# KiCad board pcb.kicad_pcb (continued)
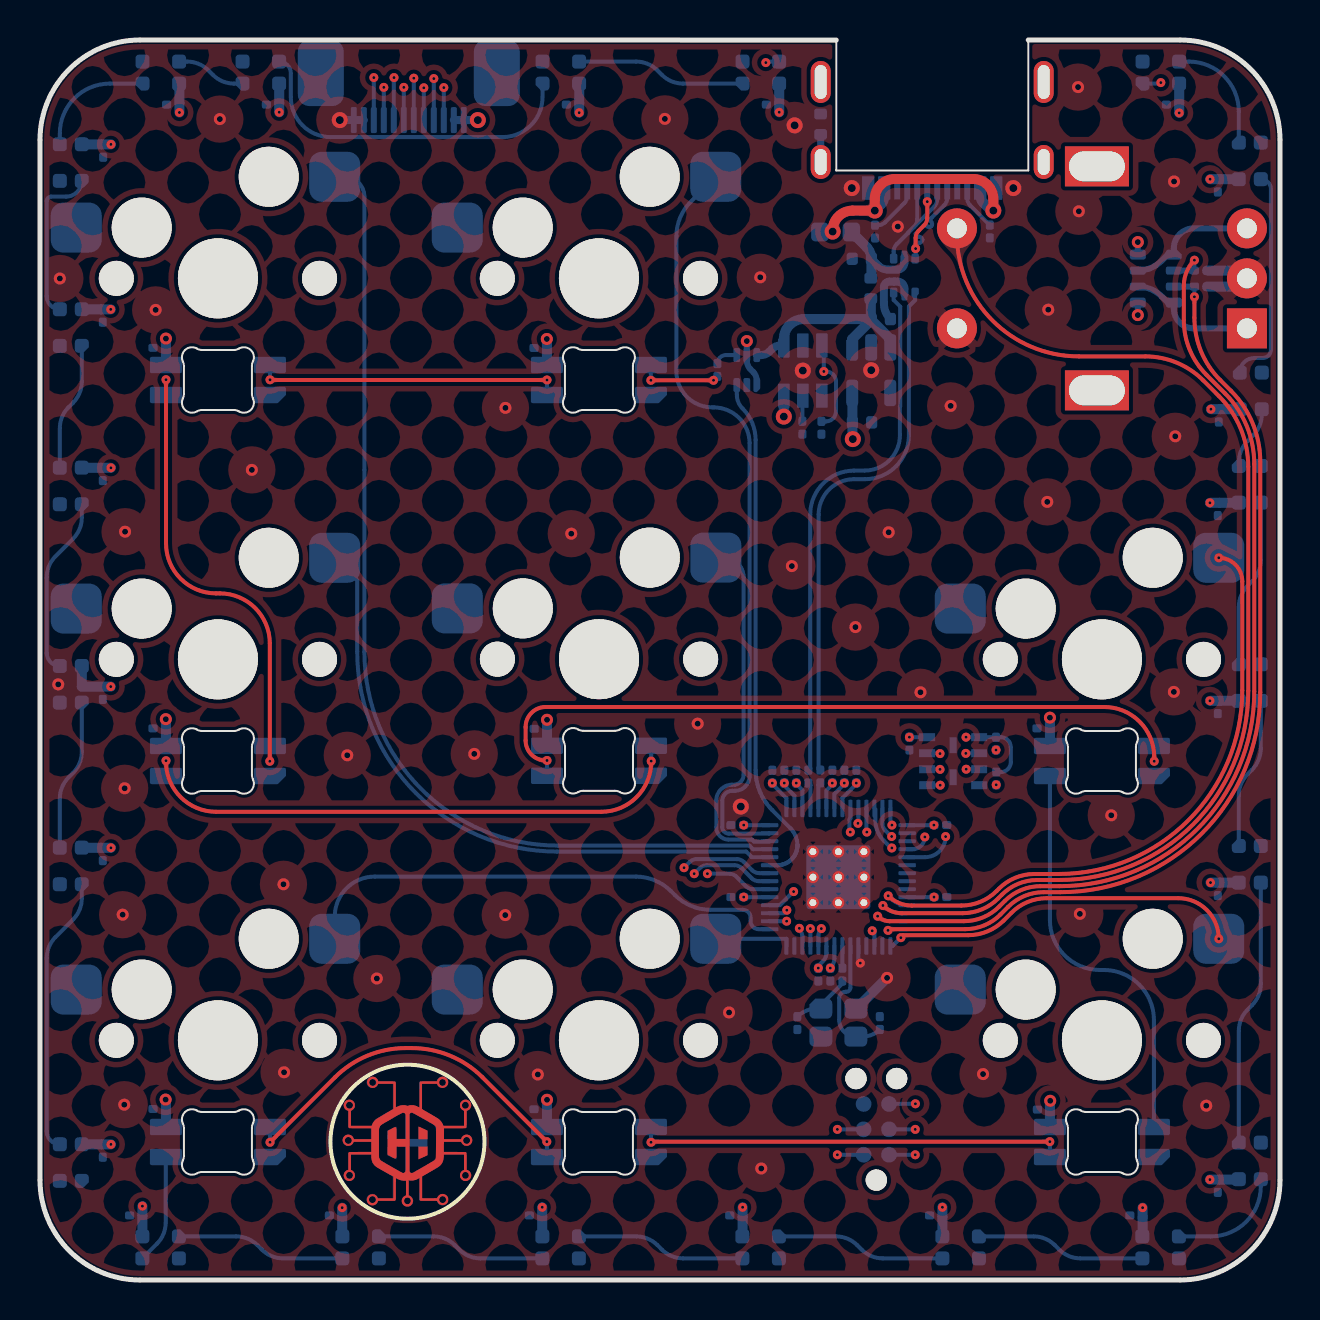
[diagram p0: board, top side]
## Routing (per net, layer and track width the routed paths; a pad name or vN(x,y) marks a point on that pad's centre or on a via; arc(x,y) is an arc through that point)
+1V1: length 4.2
  Bottom w0.2: U6.50 40.12,24.1 40.82,24.8 v1(40.82,24.85) 40.82,24.85 ; U6.45 38.12,24.49 37.82,24.8 v1(37.82,24.85) 37.82,24.85 ; U6.23 39.32,16.35 arc(39.28,16.13) 39.15,15.94 38.92,15.71 v1(38.92,15.6) C39.1
+3V3: length 21.7
  Bottom w0.2: U6.10 44.7,19.14 v1(44.7,19.15) ; v1(35.19,22.75) 35.19,22.74 U6.42 ; U6.49 39.72,24.3 40.22,24.8 v1(40.22,24.85) 40.22,24.85 ; 44.36,27.14 43.47,27.14 v1(43.47,27.14) ; v1(44.7,22.75) 44.69,22.74 U6.1 ; 39.62,24.85 v1(39.62,24.85) 39.62,24.77 39.32,24.48 U6.48 ; U6.44 37.72,24.22 37.22,24.72 v1(37.22,24.85) 37.22,24.85 ; v1(39.87,6.26) J3.1 ; U6.33 35.19,19.14 v1(35.19,19.15) ; U6.43 37.32,24.09 36.62,24.8 v1(36.62,24.85) ; C38.1 v1(39.52,15.6) arc(39.67,15.82) 39.72,16.09 U6.22
  Bottom w0.3: U4.1 35.84,44.97 arc(35.8,45.2) 35.67,45.4 35.52,45.55 arc(35.39,45.74) 35.34,45.97 U4.5 v2(35.34,46.95) ; RN1.5 v2(54.89,48.25) ; v2(54.89,51.9) RN1.8
  Bottom w0.35: 40.62,44.34 U2.5
  Bottom w0.4: v3(21.89,58) J2.12 J2.11
  Bottom w0.5: 40.62,44.34 C17.1 40.62,42.07 v3(40.64,42.05)
  vias: v1(47.8,26.5)
+5V: length 11.5
  Bottom w0.4: U4.6 36.05,46.25 arc(36.28,46.29) 36.47,46.42 36.6,46.55 arc(36.79,46.68) 37.02,46.73 U3.1
  Bottom w0.5: U3.1 37.19,47.05 arc(37.48,47.75) 38.19,48.05 C11.1 ; 41.58,48.11 41.58,48.02 40.61,47.05 U2.1 ; 41.58,48.11 41.58,47.98 42.51,47.05 U2.3 ; 41.58,48.11 41.54,48.15 FB2.2
GND: length 11.9
  Bottom w0.2: U6.19 40.92,15.94 v1(41.02,15.85)
  Bottom w0.4: v3(14.99,58) J2.1 J2.2 ; U1.2 43.22,49.57 arc(43.12,49.82) 42.87,49.92 42.48,49.92 arc(42.28,49.84) 42.2,49.64 42.2,48.83 arc(42.28,48.41) C11.2
  Bottom w0.5: v2(42.35,15.11) 40.82,13.57 Y1.2 ; C7.2 59.96,50.47 MX3.C 59.94,49.67 C8.2
  vias: v2(0.91,29.78) v2(0.99,50.08) v2(4.13,18.27) v2(4.25,37.42) v2(4.23,24.59) v2(4.21,8.77) v2(5.78,48.51) v2(8.99,58.05) v2(10.59,40.51) v2(12.17,19.79) v2(12.2,10.39) v2(15.36,26.24) v2(16.84,15.08) v2(21.71,26.31) v2(23.27,43.61) v2(23.26,18.25) v2(24.89,10.28) v2(26.56,37.32) v2(31.24,58.06) v2(32.88,27.82) v2(34.45,13.38) v2(36.01,50.14) v2(36.06,5.58) v2(37.59,35.7) v2(40.77,32.65) v2(42.43,37.39) v2(42.89,52.67) v2(44.02,29.39) v2(45.53,43.71) v2(47.15,10.3) v2(50.41,48.52) v2(50.36,38.91) v2(51.9,59.65) v2(51.94,53.44) v2(51.99,18.31) v2(53.56,23.24) v2(56.7,54.93) v2(56.69,29.41) v2(56.76,42.19) v2(58.31,8.72) v3(35.04,23.67) v3(37.73,57.73) v3(38.14,45.47) v3(40.59,54.6) v3(41.56,45.49) v3(48.67,54.6)
/BOOT: length 19.6
  In2.Cu w0.2: v1(47.81,24.76) 47.81,16.36 arc(47.24,14.99) 45.87,14.42 arc(44.39,13.81) 43.77,12.32 v1(43.77,8.81)
  Bottom w0.2: J3.6 42.46,8.81 v1(43.77,8.81) ; R6.2 v1(47.81,24.76)
/D+: length 1.3
  Bottom w0.2: R8.2 38.92,24.76 U6.47
/D-: length 1.3
  Bottom w0.2: 38.42,24.85 38.52,24.75 U6.46
/EA: length 50.8
  Top w0.2: v1(41.88,18.19) arc(42.16,18.01) 42.48,17.94 46.2,17.94 arc(47.15,18.13) 47.96,18.67 48.25,18.96 arc(49.06,19.5) 50.02,19.69 50.97,19.69 arc(57.86,22.54) 60.71,29.43 60.71,40.8 arc(60.33,42.71) 59.25,44.33 58.32,45.26 arc(57.49,46.51) 57.19,47.99 57.19,49.71 arc(57.33,50.4) v1(57.72,50.99)
  Bottom w0.2: U6.13 42.48,17.94 arc(42.16,18.01) v1(41.88,18.19) ; v1(57.72,50.99) C7.1
  Bottom w0.3: RN1.2 C7.1
/EB: length 48.1
  Top w0.2: v1(42.4,17.48) 42.46,17.54 46.26,17.54 arc(47.21,17.73) 48.02,18.27 48.41,18.66 arc(49.22,19.2) 50.18,19.39 51.01,19.39 arc(58.08,22.32) 61.01,29.39 61.01,40.92 arc(60.63,42.83) 59.55,44.46 59.01,44.99 arc(58.06,46.42) 57.72,48.11 v1(57.72,49.16)
  Bottom w0.2: v1(42.4,17.48) 42.46,17.54 U6.14 ; v1(57.72,49.16) C8.1
  Bottom w0.3: C8.1 RN1.3
/LIM_EN: length 35.2
  In1.Cu w0.2: v1(39.19,45.43) 39.19,19.08 arc(39.67,17.94) 40.81,17.46 v1(41.61,17.46)
  Bottom w0.2: v1(41.61,17.46) 41.72,17.35 U6.17 ; U3.3 39.19,46.63 v1(39.19,45.43) 39.3,45.43 arc(39.65,45.28) 39.8,44.93 39.8,43.43 arc(39.65,43.08) 39.3,42.93 R4.2
/PORT+: length 8.1
  Top w0.2: v1(43.78,51.57) 43.78,52.1 arc(43.82,52.3) 43.93,52.46 44.22,52.75 arc(44.33,52.91) 44.36,53.1 v1(44.36,53.92)
  Bottom w0.2: J1.B6 45.36,54.1 arc(45.32,53.91) 45.21,53.74 44.57,53.1 arc(44.53,53) 44.57,52.9 arc(44.61,52.8) 44.57,52.7 44.56,52.69 arc(44.46,52.64) 44.36,52.69 arc(44.26,52.73) 44.16,52.69 43.78,52.31 arc(43.82,52.2) 43.93,52.16 43.97,52.16 arc(44.08,52.12) 44.12,52.01 arc(44.08,51.9) 43.97,51.86 43.93,51.86 arc(43.82,51.82) 43.78,51.71 v1(43.78,51.57) 43.78,51.09 U1.6 ; J1.A6 44.36,53.92 v1(44.36,53.92)
/PORT-: length 6.8
  Bottom w0.2: J1.A7 44.86,54.02 arc(44.82,53.83) 44.71,53.67 43.4,52.35 ; 43.4,52.35 43.71,52.67 arc(43.82,52.83) 43.86,53.02 J1.B7 ; 43.4,52.35 42.83,51.78 arc(42.72,51.62) 42.68,51.43 U1.4
/QSPI_CLK: length 8.8
  In1.Cu w0.2: v1(45,25.53) 44.26,25.53 arc(44.16,25.57) 44.12,25.67 arc(44.08,25.77) 43.98,25.81 43.95,25.81 arc(43.85,25.77) 43.81,25.67 43.81,25.43 arc(43.78,25.36) 43.71,25.33 43.61,25.33 arc(43.54,25.36) 43.51,25.43 arc(43.48,25.5) 43.41,25.53 42.91,25.53 arc(42.87,25.43) 42.91,25.34 arc(42.95,25.24) 42.91,25.14 42.89,25.11 arc(42.79,25.07) 42.69,25.11 42.51,25.29 arc(42.43,25.33) 42.35,25.29 42.3,25.24 arc(42.27,25.16) 42.3,25.08 arc(42.33,25) 42.3,24.92 42.26,24.88 arc(42.18,24.84) 42.1,24.88 arc(42.02,24.91) 41.94,24.88 41.89,24.82 arc(41.85,24.74) 41.89,24.66 arc(41.92,24.59) 41.89,24.51 41.83,24.45 arc(41.75,24.42) 41.68,24.45 arc(41.6,24.49) 41.52,24.45 41.46,24.4 arc(41.43,24.32) 41.46,24.24 arc(41.5,24.16) 41.46,24.08 41.23,23.85 arc(40.98,23.48) 40.9,23.04 v1(40.9,22.83)
  Bottom w0.2: U6.52 40.92,22.86 v1(40.9,22.83) ; v1(45,25.53) 44.99,25.54 U5.6
/QSPI_CS: length 12.4
  In1.Cu w0.2: v1(46.3,27.14) 46.02,26.86 arc(45.61,26.24) 45.46,25.51 45.46,24.78 arc(45.43,24.6) 45.33,24.46 45.29,24.42 arc(45.18,24.34) 45.04,24.32 43.66,24.32 43.61,24.27 arc(43.58,24.2) 43.61,24.13 arc(43.64,24.05) 43.61,23.98 43.54,23.91 arc(43.47,23.88) 43.39,23.91 43.25,24.05 arc(43.18,24.08) 43.11,24.05 43.01,23.95 arc(42.98,23.88) 43.01,23.81 arc(43.04,23.74) 43.01,23.67 42.74,23.4 arc(42.63,23.24) 42.6,23.05 v1(42.6,22.75)
  Bottom w0.2: v1(42.6,22.75) 42.52,22.82 U6.56 ; v1(46.3,27.14) 46.3,27.14 46.96,27.14 46.96,27.14 R7.2 48.04,27.14 arc(48.39,26.99) 48.54,26.64 48.54,25.9 arc(48.39,25.54) 48.04,25.4 R6.1
/QSPI_SD0: length 8.8
  In1.Cu w0.2: v1(45.01,24.74) 44.3,24.74 arc(44.2,24.78) 44.15,24.89 arc(44.11,24.99) 44.01,25.03 44,25.03 arc(43.9,24.99) 43.85,24.89 arc(43.81,24.78) 43.71,24.74 43.7,24.74 arc(43.6,24.78) 43.55,24.89 arc(43.51,24.99) 43.41,25.04 43.4,25.04 arc(43.29,24.99) 43.25,24.89 43.25,24.59 arc(43.21,24.49) 43.1,24.45 43.1,24.45 arc(42.99,24.49) 42.95,24.59 arc(42.91,24.7) 42.8,24.74 42.73,24.74 42.48,24.49 arc(42.44,24.39) 42.48,24.29 arc(42.53,24.18) 42.48,24.08 42.48,24.07 arc(42.38,24.03) 42.27,24.07 arc(42.17,24.12) 42.06,24.07 42.06,24.07 arc(42.02,23.96) 42.06,23.86 arc(42.1,23.76) 42.06,23.65 42.06,23.65 arc(41.95,23.61) 41.85,23.65 arc(41.74,23.69) 41.64,23.65 41.63,23.64 arc(41.4,23.3) 41.32,22.89 41.32,22.41 v1(41.34,22.4)
  Bottom w0.2: U5.5 45.01,24.74 v1(45.01,24.74) ; v1(41.34,22.4) 41.32,22.41 U6.53
/QSPI_SD1: length 8.6
  In1.Cu w0.2: v1(42.58,22.18) 42.63,22.18 43.24,22.79 arc(43.28,22.89) 43.24,23 arc(43.19,23.1) 43.24,23.21 arc(43.34,23.25) 43.45,23.21 arc(43.55,23.17) 43.66,23.21 44.02,23.57 arc(44.32,23.77) 44.68,23.84 44.81,23.84 arc(45.13,23.9) 45.41,24.09 45.5,24.18 arc(45.78,24.61) 45.88,25.11 45.88,25.53 arc(45.96,25.89) 46.16,26.2 v1(46.29,26.33)
  Bottom w0.2: U5.2 46.3,26.34 v1(46.29,26.33) ; U6.55 42.12,22.82 arc(42.16,22.64) 42.26,22.48 42.57,22.18 v1(42.58,22.18)
/QSPI_SD2: length 8.7
  In1.Cu w0.2: v1(46.31,25.54) 46.31,25.43 arc(46.15,24.63) 45.7,23.95 45.26,23.52 arc(45.02,23.36) 44.74,23.3 arc(44.34,23.22) 44.01,23 42.61,21.6 v1(42.59,21.6)
  Bottom w0.2: v1(46.31,25.54) U5.3 ; U6.54 41.77,23.53 41.77,22.99 arc(41.88,22.44) 42.19,21.97 42.56,21.6 v1(42.59,21.6)
/QSPI_SD3: length 8.8
  In1.Cu w0.2: v1(45,26.32) 43.5,26.32 arc(42.94,26.21) 42.46,25.89 40.87,24.3 arc(40.58,23.86) 40.47,23.34 40.47,22.44 v1(40.52,22.4)
  Bottom w0.2: v1(45,26.32) 44.98,26.34 U5.7 ; U6.51 40.52,23.08 40.47,23.03 40.47,22.44 v1(40.52,22.4)
/RGB_5V: length 4.2
  Top w0.2: v1(33.68,44.99) v1(30.54,44.99)
  Bottom w0.2: D2.4 30.54,45.75 v1(30.54,44.99) ; v1(33.68,44.99) R3.2
/RGB_DO: length 25.9
  Bottom w0.2: U6.37 36.86,20.74 arc(36.87,20.74) 36.87,20.74 36.88,20.74 arc(36.88,20.74) 36.88,20.74 36.92,20.74 arc(36.93,20.74) 36.93,20.74 36.95,20.74 36.99,20.75 37.01,20.75 arc(37.01,20.75) 37.02,20.75 37.11,20.77 arc(37.11,20.77) 37.12,20.77 37.14,20.78 37.18,20.79 37.2,20.8 arc(37.21,20.8) 37.21,20.8 37.29,20.84 arc(37.3,20.84) 37.3,20.84 37.32,20.85 37.36,20.87 37.38,20.88 arc(37.38,20.88) 37.39,20.89 37.46,20.94 arc(37.47,20.94) 37.47,20.94 37.49,20.95 37.52,20.98 37.54,21 arc(37.54,21) 37.55,21 37.61,21.07 arc(37.61,21.07) 37.61,21.07 37.63,21.09 37.66,21.13 37.67,21.14 arc(37.67,21.15) 37.68,21.15 37.72,21.22 arc(37.73,21.23) 37.73,21.23 37.74,21.25 37.76,21.29 37.77,21.31 arc(37.77,21.31) 37.78,21.32 37.81,21.4 arc(37.81,21.4) 37.81,21.41 37.82,21.43 37.83,21.47 37.84,21.49 arc(37.84,21.5) 37.84,21.5 37.86,21.6 arc(37.86,21.6) 37.86,21.6 37.86,21.62 37.87,21.66 37.87,21.68 arc(37.87,21.69) 37.87,21.69 37.87,21.73 arc(37.87,21.74) 37.87,21.74 37.87,21.78 arc(37.86,21.86) 37.85,21.95 37.84,21.99 arc(37.82,22.09) 37.79,22.18 37.77,22.22 arc(37.73,22.3) 37.68,22.39 37.65,22.43 arc(37.6,22.5) 37.54,22.56 37.53,22.58 arc(37.52,22.58) 37.52,22.59 36.61,23.5 arc(36.6,23.5) 36.6,23.51 36.53,23.58 arc(36.5,23.62) 36.46,23.66 36.33,23.82 arc(36.3,23.86) 36.27,23.91 36.16,24.08 arc(36.13,24.13) 36.11,24.18 36.02,24.36 arc(35.99,24.42) 35.97,24.47 35.91,24.66 arc(35.89,24.71) 35.88,24.77 35.83,24.97 arc(35.82,25.02) 35.81,25.08 35.79,25.29 arc(35.78,25.33) 35.78,25.38 35.78,25.49 arc(35.78,25.49) 35.78,25.5 35.78,42.01 arc(35.61,42.85) 35.13,43.57 arc(34.92,43.89) 34.84,44.27 U4.3
/RGB_PWR: length 46
  Bottom w0.5: v1(3.55,40.61) 2.1,40.61 ; v1(58.5,28.96) 59.94,28.96 ; 2.1,56.78 v1(3.55,56.78) ; v1(45.12,3.64) 45.12,2.19 ; D7.1 25.35,9.01 v2(25.35,9.01) ; 2.1,6.78 v1(3.55,6.78) ; 15.11,2.17 v1(15.11,3.62) ; 26.96,59.81 v1(26.96,58.37) ; v1(36.96,58.39) 36.96,59.83 ; v1(11.96,58.39) 11.96,59.83 ; v2(25.34,47.05) 25.35,47.05 D2.1 ; D8.1 50.5,8.95 v2(50.51,8.96) ; 35.13,2.19 v1(35.13,3.64) ; v1(56.96,58.36) 56.96,59.8 ; D3.1 6.3,28.04 v2(6.29,28.04) ; v1(5.12,3.69) 5.12,2.25 ; D16.4 v1(58.55,43.54) ; v3(37.19,43.17) U3.6 ; v1(58.51,55.04) 59.95,55.04 ; v1(3.55,21.61) 2.1,21.61 ; v2(6.3,47.07) D1.1 ; D21.4 2.09,29.67 v1(3.54,29.67) ; v2(6.28,9.02) 6.3,9.01 D6.1 ; 2.09,48.53 v1(3.54,48.53) ; v1(55.13,3.62) 55.13,2.17 ; v1(58.53,19.87) 59.97,19.87 ; v2(50.5,28.12) D5.1 ; 6.97,59.82 v1(6.97,58.38) ; 59.94,38.86 v1(58.5,38.86) ; v1(58.5,5.02) 59.94,5.02 ; 25.11,2.19 v1(25.11,3.64) ; D4.1 v2(25.35,28.01)
/RST: length 12.9
  In1.Cu w0.2: v1(37.97,17.58) arc(37.89,17.47) 37.86,17.33 37.86,12.38 arc(38.38,9.75) v1(39.87,7.53)
  Bottom w0.2: v1(39.87,7.53) 41.18,7.53 ; v1(37.97,17.58) 37.97,17.52 37.97,17.51 arc(38.08,17.35) 38.12,17.16 U6.26
/S1: length 50.7
  Bottom w0.2: U6.39 35.65,21.54 35.47,21.72 25.9,21.72 arc(19.06,24.56) 16.22,31.4 16.22,54.16 arc(15.93,54.87) 15.22,55.16 MX1.2
/S2: length 38.7
  Bottom w0.2: MX2.2 32.53,53.9 arc(32.01,53.12) 31.82,52.19 31.82,45.43 arc(32.35,44.16) 33.62,43.63 33.68,43.63 arc(34.95,43.1) 35.48,41.83 35.48,25.19 arc(35.27,24.68) 34.75,24.46 34.62,24.46 arc(34.26,24.31) 34.12,23.96 34.12,22.64 arc(34.21,22.41) 34.44,22.32 36.46,22.32 U6.41
/S3: length 58.2
  Top w0.2: MX3.S1 45.85,52.28 arc(47.63,47.97) 51.94,46.18 55.26,46.18 arc(56.83,45.87) 58.16,44.98 58.95,44.19 arc(60.03,42.57) 60.41,40.66 60.41,29.45 arc(57.65,22.77) 50.96,20 49.87,20 arc(48.91,19.81) 48.1,19.27 47.9,19.07 arc(47.09,18.53) 46.14,18.34 43.07,18.34 arc(42.57,18.44) v1(42.15,18.73)
  Bottom w0.2: U6.12 43.07,18.34 arc(42.57,18.44) v1(42.15,18.73)
/S4: length 31.6
  Bottom w0.2: MX4.2 15.86,34.99 15.86,31.42 arc(18.79,24.35) 25.86,21.42 35.31,21.42 35.59,21.14 U6.38
/S5: length 18.3
  Bottom w0.2: U6.40 36.46,21.92 35.7,21.92 35.6,22.02 34.42,22.02 arc(33.99,22.2) 33.82,22.63 33.82,23.98 arc(34.05,24.53) 34.6,24.76 34.75,24.76 arc(35.06,24.93) 35.18,25.26 35.18,35.12 arc(35.18,35.12) 35.18,35.13 35.18,35.18 arc(35.18,35.22) 35.17,35.26 35.15,35.36 arc(35.14,35.41) 35.12,35.46 35.08,35.55 arc(35.06,35.59) 35.04,35.63 34.98,35.72 arc(34.95,35.76) 34.92,35.79 34.85,35.86 arc(34.82,35.89) 34.78,35.92 34.69,35.98 arc(34.65,36) 34.61,36.02 34.52,36.06 arc(34.47,36.08) 34.42,36.09 34.32,36.11 arc(34.28,36.12) 34.24,36.12 34.19,36.12 arc(34.18,36.12) 34.18,36.12 33.79,36.12
/S6: length 31.9
  Top w0.2: v1(58.94,36.11) arc(59.77,35.77) 60.11,34.94 60.11,29.48 arc(57.42,22.99) 50.93,20.3 49.72,20.3 arc(48.76,20.11) 47.95,19.57 47.83,19.45 arc(47.02,18.91) 46.07,18.72 43.59,18.72 arc(42.95,18.85) v1(42.41,19.21)
  Bottom w0.2: v1(42.41,19.21) 42.54,19.08 arc(42.92,18.83) U6.11
/S7: length 25.1
  Bottom w0.2: U6.29 35.93,17.54 arc(35.65,17.66) 35.53,17.94 35.53,18.11 arc(35.41,18.39) 35.13,18.51 33.52,18.51 arc(32.56,18.7) 31.75,19.24 31.55,19.44 arc(30.74,19.98) 29.79,20.17 16.74,20.17 arc(15.32,19.58) 14.74,18.17 MX7.2
/S8: length 3.9
  Bottom w0.2: U6.28 37.32,17.06 MX8.2
/S9: length 18.3
  Top w0.2: v1(43.04,17.12) 43.17,17.24 46.42,17.24 arc(47.37,17.43) 48.18,17.97 48.57,18.36 arc(49.38,18.9) 50.34,19.09 56.91,19.09 arc(58.34,18.5) v1(58.94,17.06)
  Bottom w0.2: v1(43.04,17.12) 42.63,16.7 U6.15
/SCL1: length 66.6
  In2.Cu w0.2: v1(17.19,59.63) 17,59.44 17,33.52 arc(19.85,26.63) 26.74,23.78 31.66,23.78 arc(33.12,24.07) 34.35,24.9 34.39,24.93 arc(35.77,25.86) 37.4,26.18 39.9,26.18 arc(41.8,25.8) 43.42,24.72 44.79,23.35 arc(45.15,22.81) v1(45.28,22.17)
  Bottom w0.2: J2.4 v1(17.19,59.63) ; U6.5 44.25,21.14 arc(44.98,21.44) v1(45.28,22.17)
/SDA1: length 65.9
  In2.Cu w0.2: v1(16.69,60.12) 16.69,33.48 arc(19.62,26.41) 26.69,23.48 31.7,23.48 arc(33.23,23.79) 34.54,24.66 34.57,24.69 arc(35.89,25.57) 37.44,25.88 39.85,25.88 arc(41.68,25.52) 43.24,24.48 43.72,24 arc(44.1,23.42) 44.24,22.73 v1(44.24,22.15)
  Bottom w0.2: U6.4 43.63,21.54 arc(44.06,21.72) v1(44.24,22.15) ; J2.3 v1(16.69,60.12)
/SPI0_CS: length 59.2
  In1.Cu w0.2: v1(37.68,19.42) 37.13,19.97 arc(36.81,20.18) 36.43,20.26 34.19,20.26 arc(34,20.22) 33.84,20.11 33.76,20.04 arc(33.6,19.93) 33.41,19.89 28.53,19.89 arc(21.86,22.66) 19.09,29.33 19.09,57.01 arc(18.91,57.91) 18.41,58.66 18,59.08 arc(17.78,59.4) 17.7,59.79 v1(17.7,60.12)
  Bottom w0.2: J2.5 17.69,60.11 v1(17.7,60.12) ; U6.32 36.99,18.74 37.67,19.42 v1(37.68,19.42)
/SPI0_DC: length 63.2
  In1.Cu w0.2: v1(18.19,59.63) 18.19,60.15 arc(18.07,60.43) 17.79,60.55 16.64,60.55 arc(16.52,60.52) 16.42,60.46 16.38,60.41 arc(16.3,60.28) 16.27,60.13 16.27,60.09 arc(16.29,59.96) 16.37,59.85 18.5,57.71 arc(18.71,57.39) 18.79,57.01 18.79,29.3 arc(21.64,22.44) 28.5,19.59 33.53,19.59 arc(33.72,19.63) 33.88,19.74 33.96,19.81 arc(34.12,19.92) 34.31,19.96 36.06,19.96 arc(36.44,19.88) 36.76,19.67 37.66,18.77 arc(37.74,18.66) 37.77,18.52 37.77,18.45 arc(37.74,18.32) 37.67,18.22 37.39,17.94 v1(37.33,17.94)
  Bottom w0.2: J2.6 v1(18.19,59.63) ; v1(37.33,17.94) 37.33,17.94 U6.30
/SPI0_RST: length 55.1
  In1.Cu w0.2: v1(19.69,60.07) 19.69,29.38 arc(22.29,23.09) 28.58,20.49 31.9,20.49 arc(32.06,20.52) v1(32.2,20.62)
  Bottom w0.2: v1(32.2,20.62) 32.48,20.9 arc(32.65,21.01) 32.84,21.04 34.85,21.04 arc(35.04,21.01) 35.2,20.9 35.61,20.49 arc(35.77,20.38) 35.96,20.34 U6.36 ; J2.9 v1(19.69,60.07)
/SPI0_SCK: length 53.9
  In1.Cu w0.2: v1(33.37,20.32) 32.86,20.83 arc(32.62,20.99) 32.35,21.04 32.17,21.04 arc(32.04,21.01) 31.93,20.94 31.89,20.9 arc(31.76,20.82) 31.62,20.79 28.61,20.79 arc(22.51,23.31) 19.99,29.41 19.99,59.14 arc(20.04,59.4) v1(20.19,59.62)
  Bottom w0.2: v1(33.37,20.32) 34.46,20.32 arc(34.65,20.28) 34.82,20.17 35.3,19.69 arc(35.46,19.58) 35.65,19.54 U6.34 ; J2.10 v1(20.19,59.62)
/SPI0_SDI: length 64
  In1.Cu w0.2: v1(19.19,59.61) 19.19,60.24 arc(19.01,60.67) 18.59,60.85 16.63,60.85 arc(16.41,60.8) 16.22,60.67 16.15,60.61 arc(16.01,60.4) 15.97,60.16 15.97,60.03 arc(16.01,59.84) 16.12,59.67 18.2,57.59 arc(18.41,57.26) 18.49,56.88 18.49,29.29 arc(21.42,22.22) 28.49,19.29 33.65,19.29 arc(33.85,19.33) 34.01,19.44 34.04,19.47 arc(34.21,19.58) 34.4,19.62 35.8,19.62 arc(36.18,19.54) 36.5,19.33 v1(37.34,18.49)
  Bottom w0.2: v1(19.19,59.61) J2.8 ; v1(37.34,18.49) 37.19,18.34 U6.31
/SPI0_SDO: length 55.8
  In1.Cu w0.2: v1(18.69,60.09) 18.69,59.71 arc(18.73,59.53) 18.83,59.37 18.96,59.25 arc(19.28,58.76) 19.39,58.19 19.39,29.36 arc(22.08,22.88) 28.56,20.19 32.41,20.19 arc(32.57,20.22) v1(32.71,20.32)
  Bottom w0.2: v1(32.71,20.32) 32.99,20.59 arc(33.15,20.7) 33.34,20.74 34.73,20.74 arc(34.92,20.7) 35.08,20.59 35.59,20.09 arc(35.75,19.98) 35.94,19.94 U6.35 ; J2.7 v1(18.69,60.09)
/SWD_CLK: length 15.6
  In1.Cu w0.2: v1(39.07,17.57) 39.07,17.56 arc(39.06,17.52) 39.04,17.49 38.65,17.11 arc(38.51,16.89) 38.46,16.64 38.46,12.44 arc(38.81,10.7) 39.79,9.23 39.88,9.14 arc(41.66,7.95) v1(43.76,7.53)
  Bottom w0.2: U6.24 38.92,17.22 arc(38.96,17.41) v1(39.07,17.57) ; v1(43.76,7.53) 42.45,7.53
/SWD_IO: length 16.5
  In1.Cu w0.2: v1(38.52,17.57) 38.52,17.53 arc(38.25,17.14) 38.16,16.67 38.16,12.35 arc(38.58,10.24) 39.78,8.44 40.69,7.53 arc(42.1,6.59) v1(43.76,6.26)
  Bottom w0.2: v1(43.76,6.26) J3.2 ; v1(38.52,17.57) 38.52,17.57 U6.25
/USB+: length 26.8
  Bottom w0.2: U1.1 43.76,49 43.45,48.68 43.45,42.24 arc(42.8,40.69) 41.25,40.04 40.7,40.04 arc(39.45,39.52) 38.93,38.27 38.93,25.58 R8.1
/USB-: length 26.8
  Bottom w0.2: R9.1 38.51,25.59 38.51,38.27 arc(39.16,39.83) 40.71,40.47 41.23,40.47 arc(42.48,40.99) 43,42.24 43,43.68 43.01,43.7 43.01,48.67 42.68,49 U1.3
Net-(C40-Pad2): length 3.1
  Bottom w0.2: R10.1 40.12,14.82 39.04,13.75 Y1.1 38.84,13.57 arc(38.31,13.47) C40.2
Net-(D1-DIN): length 15.3
  Top w0.2: v1(11.5,45.01) 11.51,45 v1(25.35,45)
  Bottom w0.2: v1(25.35,45) 25.35,45 D2.2 ; v1(11.5,45.01) 11.5,45.75 D1.4
Net-(D1-DOUT): length 23.7
  Top w0.2: v1(11.49,25.94) 11.49,31.83 arc(10.76,33.6) 8.99,34.33 8.8,34.33 arc(7.03,35.06) 6.3,36.83 v1(6.3,45.02)
  Bottom w0.2: v1(6.3,45.02) 6.3,45.01 D1.2 ; v1(11.49,25.94) 11.5,25.94 D3.4
Net-(D3-DOUT): length 28.7
  Top w0.2: v1(30.56,25.95) 30.56,25.91 arc(29.83,24.14) 28.06,23.41 8.8,23.41 arc(7.03,24.14) 6.3,25.91 v1(6.3,25.97)
  Bottom w0.2: D3.2 6.3,25.96 v1(6.3,25.97) ; D4.4 30.56,26.7 v1(30.56,25.95)
Net-(D4-DOUT): length 37.5
  Top w0.2: v1(25.35,25.98) 25.28,25.98 arc(24.57,26.27) 24.28,26.98 24.28,27.65 arc(24.57,28.36) 25.28,28.65 53.21,28.65 arc(54.98,27.92) 55.71,26.15 v1(55.71,25.94)
  Bottom w0.2: v1(55.71,25.94) 55.71,26.69 D5.4 ; D4.2 v1(25.35,25.98)
Net-(D5-DOUT): length 20.6
  Bottom w0.2: D5.2 50.5,18 arc(51.23,16.23) 53,15.5 53.2,15.5 arc(54.96,14.77) 55.7,13 D8.4
Net-(D6-DIN): length 18.8
  Top w0.2: v1(11.5,6.89) 14.75,10.13 arc(16.37,11.22) 18.28,11.6 18.59,11.6 arc(20.5,11.22) 22.13,10.13 v1(25.34,6.92)
  Bottom w0.2: D6.4 11.5,7.65 v1(11.5,6.89) ; v1(25.34,6.92) 25.35,6.91 D7.2
Net-(D7-DIN): length 21.5
  Top w0.2: v1(30.55,6.89) 30.58,6.92 v1(50.49,6.92)
  Bottom w0.2: D8.2 50.5,6.91 v1(50.49,6.92) ; D7.4 30.55,7.65 v1(30.55,6.89)
Net-(D10-DIN): length 35.3
  In2.Cu w0.2: v1(36.29,60.87) 36.29,57.42 arc(38.34,52.47) 43.29,50.42 49.01,50.42 arc(53.96,52.47) 56.01,57.42 56.01,59.87 v1(56.04,59.87)
  Bottom w0.2: D10.3 36.34,60.92 v1(36.29,60.87) ; v1(56.04,59.87) 55.99,59.82 D9.1
Net-(D10-DOUT): length 8.5
  Bottom w0.2: D10.1 32.15,59.82 arc(31.58,59.93) 31.09,60.26 30.87,60.48 arc(30.38,60.81) 29.81,60.92 D11.3
Net-(D11-DOUT): length 17.7
  Bottom w0.2: D11.1 25.13,59.15 arc(24.54,57.73) 23.13,57.15 14.54,57.15 arc(13.13,57.73) 12.54,59.15 12.54,60.34 arc(12.37,60.75) D12.3
Net-(D12-DOUT): length 3.5
  Bottom w0.2: D12.1 9.7,59.82 arc(9.13,59.93) 8.64,60.26 8.42,60.48 arc(7.93,60.81) 7.36,60.92 D13.3
Net-(D13-DOUT): length 6.1
  Bottom w0.2: D15.3 0.99,57.32 arc(1.72,59.09) 3.49,59.82 D13.1
Net-(D14-DIN): length 11
  Bottom w0.2: D14.3 61.05,55.04 arc(61.4,54.89) 61.55,54.54 61.55,46.51 arc(61.43,46.22) 61.14,46.1 60.72,46.1 arc(60.2,45.89) D16.1
Net-(D14-DOUT): length 6
  Bottom w0.2: D9.3 57.44,60.92 arc(59.21,60.19) 59.94,58.42 D14.1
Net-(D15-DOUT): length 8.1
  Bottom w0.2: D15.1 arc(1.86,54.4) 1.31,54.17 0.56,54.17 arc(0.4,54.11) 0.34,53.95 0.34,49.19 arc(0.53,48.73) D17.3
Net-(D16-DIN): length 3.2
  Bottom w0.2: D18.1 59.94,40.89 arc(60.05,41.46) 60.38,41.95 60.65,42.22 arc(60.98,42.71) 61.09,43.28 D16.3
Net-(D17-DOUT): length 6.4
  Bottom w0.2: D17.1 2.09,44.92 arc(1.98,44.35) 1.65,43.86 1.43,43.64 arc(1.1,43.15) 0.99,42.58 D19.3
Net-(D18-DIN): length 8.4
  Bottom w0.2: D18.3 61.04,35.99 arc(60.93,35.42) 60.6,34.93 60.38,34.71 arc(60.05,34.22) 59.94,33.65 D20.1
Net-(D19-DOUT): length 9.1
  Bottom w0.2: D19.1 2.09,38.12 arc(1.98,37.55) 1.65,37.06 0.78,36.19 arc(0.45,35.7) 0.34,35.12 0.34,31.36 arc(0.53,30.89) D21.3
Net-(D20-DIN): length 7.6
  Bottom w0.2: D20.3 61.04,26.57 arc(60.93,26) 60.6,25.51 60.38,25.29 arc(60.05,24.8) 59.94,24.23 D22.1
Net-(D21-DOUT): length 7.6
  Bottom w0.2: D21.1 2.09,26.41 arc(1.98,25.84) 1.65,25.35 1.43,25.13 arc(1.1,24.64) 0.99,24.07 D23.3
Net-(D22-DIN): length 13.3
  Bottom w0.2: D22.3 61.04,14.8 arc(60.93,14.23) 60.6,13.74 60.38,13.52 arc(60.05,13.03) 59.94,12.46 D24.1
Net-(D23-DOUT): length 14
  Bottom w0.2: D23.1 2.09,19.08 arc(1.98,18.51) 1.65,18.02 0.78,17.15 arc(0.45,16.66) 0.34,16.08 0.34,7.44 arc(0.53,6.98) D25.3
Net-(D24-DIN): length 5.9
  Bottom w0.2: 56.95,2.18 58.54,2.18 arc(60.31,2.91) 61.04,4.68 61.04,5.04
Net-(D26-DIN): length 8.5
  Bottom w0.2: D26.3 52.02,1.08 arc(51.45,1.19) 50.96,1.52 50.74,1.74 arc(50.25,2.07) 49.68,2.18 46.95,2.18
Net-(D27-DIN): length 8.5
  Bottom w0.2: 36.95,2.18 39.8,2.18 arc(40.37,2.07) 40.86,1.74 41.08,1.52 arc(41.57,1.19) 42.14,1.08 D27.3
Net-(D28-DIN): length 8.5
  Bottom w0.2: 26.95,2.18 29.81,2.18 arc(30.38,2.07) 30.87,1.74 31.09,1.52 arc(31.58,1.19) 32.15,1.08 D28.3
Net-(D29-DIN): length 8.5
  Bottom w0.2: D29.3 22.02,1.08 arc(21.45,1.19) 20.96,1.52 20.74,1.74 arc(20.25,2.07) 19.68,2.18 16.95,2.18
Net-(D30-DIN): length 8.5
  Bottom w0.2: 6.95,2.18 9.81,2.18 arc(10.38,2.07) 10.87,1.74 11.09,1.52 arc(11.58,1.19) 12.15,1.08 D30.3
Net-(D31-DIN): length 5.5
  Bottom w0.2: D6.2 6.29,6.14 6.29,2.87 arc(6.17,2.3) 5.85,1.81 D31.3
Net-(F1-Pad1): length 14.3
  Top w0.5: v3(47.67,53.47) 47.67,54.05 arc(47.37,54.76) 46.67,55.05 42.74,55.05 arc(42.03,54.76) 41.74,54.05 v3(41.74,53.47) 40.63,53.47 arc(39.92,53.18) 39.63,52.47 v3(39.63,52.42)
  Bottom w0.5: v3(39.63,52.42) 39.01,52.42 F1.1 ; v3(47.67,53.47) 47.57,53.47 47.16,53.88 arc(47.05,54.04) 47.01,54.23 J1.A9 ; J1.A4 42.21,54.15 arc(42.17,53.96) 42.06,53.79 v3(41.74,53.47)
Net-(J1-CC1): length 2.7
  Bottom w0.2: J1.A5 43.36,54.2 arc(43.32,54.01) 43.21,53.85 42.26,52.89 arc(42.09,52.78) 41.9,52.74 R2.2
Net-(J1-CC2): length 2.3
  Bottom w0.2: J1.B5 46.36,54.08 arc(46.4,53.89) 46.51,53.73 R1.2
Net-(J1-SHIELD): length 1.4
  Bottom w0.35: J1.S1 39.04,57.28 FB1.1
Net-(RN1A-R1.1): length 6.6
  Bottom w0.3: MX3.B 57.69,52.58 arc(56.98,52.29) 56.69,51.58 RN1.1 56.39,51.27 56.09,50.97 arc(55.54,50.6) RN1.7
Net-(RN1C-R3.2): length 6.6
  Bottom w0.3: MX3.A 57.69,47.58 arc(56.98,47.87) 56.69,48.58 RN1.4 56.39,48.87 56.09,49.18 arc(55.54,49.54) RN1.6
Net-(U1-VBUS): length 5
  Bottom w0.4: C10.1 41.91,50.72 arc(42.13,50.57) 42.39,50.52 42.87,50.52 arc(43.12,50.62) 43.22,50.87 U1.5
  Bottom w0.5: FB2.1 41.57,50.12 C10.1 arc(41.51,51.37) 41.33,51.64 F1.2
Net-(U3-ILIM): length 1.3
  Bottom w0.2: U3.5 38.12,44.2 R5.1
Net-(U4-B): length 1.2
  Bottom w0.2: U4.4 34.3,46.25 arc(33.99,46.12) R3.1
Net-(U6-XTAL_IN): length 6.6
  Bottom w0.2: U6.20 40.52,14.62 arc(40.46,14.47) 40.31,14.41 40.27,14.41 arc(40.05,14.32) 39.96,14.11 39.96,13 arc(40.2,12.41) Y1.3 41.13,12.17 arc(41.6,12.26) C37.2
Net-(U6-XTAL_OUT): length 1.1
  Bottom w0.2: U6.21 40.12,15.6 R10.2

## Copper pours and planes (outline as drawn; the poured copper is in the pictures)
+1V1 on In2.Cu: 34.34,25.72 45.52,25.72 45.59,14.71 34.41,14.71
+3V3 on In1.Cu: -10.82,72.12 75.54,72.12 75.54,-9.16 -10.82,-9.16
GND on Top, Bottom: -12.32,73.85 74.04,73.85 74.04,-7.43 -12.32,-7.43
/RGB_PWR on In2.Cu: -9.32,69.94 77.04,69.94 77.04,-11.34 -9.32,-11.34
/S1 on Bottom: 16.32,53.65 16.31,53.86 16.29,54.04 16.25,54.19 16.2,54.32 16.15,54.44 16.11,54.56 16.06,54.68 16.02,54.81 16,54.97 15.99,55.16 14.16,55.4 14.8,53.91 14.99,53.93 15.17,53.96 15.35,54 15.53,54.03 15.69,54.05 15.83,54.04 15.95,54.01 16.04,53.94 16.1,53.82 16.12,53.65
/S2 on Bottom: 32,52.81 32.12,53.12 32.26,53.36 32.43,53.52 32.62,53.63 32.83,53.71 33.07,53.76 33.6,53.83 33.89,53.89 34.2,53.98 34.23,55.6 32.58,55.49 32.49,55.17 32.41,54.89 32.34,54.66 32.28,54.44 32.15,54.02 32.08,53.79 32,53.53 31.91,53.22 31.81,52.86
/S3 on Top: 46.18,50.63 46.13,50.85 46.12,51.03 46.15,51.19 46.2,51.33 46.28,51.46 46.37,51.58 46.47,51.71 46.58,51.85 46.68,52.01 46.77,52.2 45.82,53.08 44.97,52.09 45.09,51.9 45.21,51.75 45.32,51.62 45.43,51.5 45.53,51.4 45.63,51.28 45.73,51.15 45.82,51 45.91,50.81 45.99,50.57
/S4 on Bottom: 15.96,34.08 15.96,34.36 15.96,34.59 15.97,34.79 15.97,34.97 15.98,35.46 15.99,35.65 15.99,35.86 15.99,36.11 14.3,36.55 14.33,34.93 14.54,34.87 14.75,34.83 14.95,34.8 15.14,34.76 15.31,34.72 15.46,34.67 15.58,34.58 15.68,34.46 15.74,34.3 15.76,34.08
/S5 on Bottom: 35.28,33.91 35.27,34.21 35.26,34.47 35.23,34.69 35.2,34.88 35.16,35.06 35.13,35.23 35.09,35.42 35.07,35.62 35.05,35.85 35.04,36.12 33.39,36.6 33.29,34.98 33.55,34.88 33.8,34.82 34.05,34.78 34.29,34.74 34.5,34.69 34.7,34.63 34.85,34.53 34.98,34.38 35.05,34.18 35.08,33.91
/S7 on Bottom: 15.13,19.52 14.94,19.3 14.79,19.11 14.65,18.94 14.54,18.8 14.32,18.53 14.21,18.39 14.09,18.24 13.95,18.07 13.78,17.87 14.72,16.44 15.88,17.56 15.77,17.79 15.63,17.99 15.48,18.17 15.34,18.34 15.22,18.5 15.13,18.66 15.08,18.82 15.08,19 15.14,19.19 15.29,19.39
/S8 on Bottom: 36.28,17.16 35.98,17.18 35.74,17.23 35.54,17.3 35.37,17.4 35.22,17.51 35.08,17.64 34.93,17.78 34.77,17.92 34.57,18.05 34.33,18.19 33.16,17.06 34.33,15.94 34.57,16.07 34.77,16.21 34.93,16.35 35.08,16.48 35.22,16.61 35.37,16.72 35.54,16.82 35.74,16.9 35.98,16.94 36.28,16.96
Net-(C40-Pad2) on Bottom: 38.13,13.26 38.22,13.31 38.3,13.33 38.37,13.34 38.44,13.32 38.51,13.3 38.57,13.26 38.71,13.18 38.79,13.14 38.87,13.1 39.29,13.6 38.76,13.99 38.67,13.92 38.59,13.87 38.53,13.81 38.35,13.67 38.29,13.62 38.22,13.56 38.13,13.5 38.02,13.42
Net-(C40-Pad2) on Bottom: 39.59,14.43 39.49,14.35 39.41,14.28 39.33,14.23 39.25,14.2 39.18,14.17 39.03,14.12 38.95,14.09 38.86,14.05 38.77,13.99 38.91,13.36 39.54,13.53 39.54,13.62 39.54,13.71 39.54,13.86 39.54,13.93 39.55,14 39.57,14.07 39.6,14.14 39.65,14.21 39.73,14.29
Net-(J1-SHIELD) on Bottom: 38.86,56.89 38.86,56.78 38.85,56.68 38.83,56.6 38.81,56.53 38.78,56.47 38.75,56.41 38.67,56.28 38.63,56.21 38.59,56.12 39.04,55.65 39.49,56.12 39.44,56.21 39.4,56.28 39.32,56.41 39.29,56.47 39.26,56.53 39.24,56.6 39.22,56.68 39.21,56.78 39.21,56.89
Net-(RN1A-R1.1) on Bottom: 58.36,52.43 58.59,52.42 58.78,52.39 58.94,52.33 59.08,52.26 59.2,52.18 59.32,52.09 59.44,51.99 59.57,51.89 59.72,51.78 59.91,51.68 60.85,52.58 59.91,53.48 59.72,53.38 59.57,53.28 59.44,53.17 59.32,53.07 59.2,52.98 59.08,52.9 58.94,52.83 58.78,52.78 58.59,52.74 58.36,52.73
Net-(RN1C-R3.2) on Bottom: 58.36,47.43 58.59,47.42 58.78,47.39 58.94,47.33 59.08,47.26 59.2,47.18 59.32,47.09 59.44,46.99 59.57,46.89 59.72,46.78 59.91,46.68 60.85,47.58 59.91,48.48 59.72,48.38 59.57,48.28 59.44,48.17 59.32,48.07 59.2,47.98 59.08,47.9 58.94,47.83 58.78,47.78 58.59,47.74 58.36,47.73
Net-(U6-XTAL_IN) on Bottom: 41.71,12.43 41.62,12.39 41.54,12.37 41.47,12.37 41.4,12.38 41.34,12.41 41.28,12.45 41.14,12.55 41.07,12.59 40.98,12.63 40.54,12.15 41.05,11.74 41.14,11.8 41.22,11.85 41.29,11.9 41.54,12.08 41.62,12.14 41.71,12.19 41.81,12.26

Small or netless copper shapes (teardrops, artwork), in the pictures only: 29 on Top, 292 on Bottom, 32 on In1.Cu, 8 on In2.Cu

## Text on the board
B.Silkscreen: v5.0
